# Altium PCB RV901-cnc-flipped.PcbDoc (part 2 of 4) (continued)
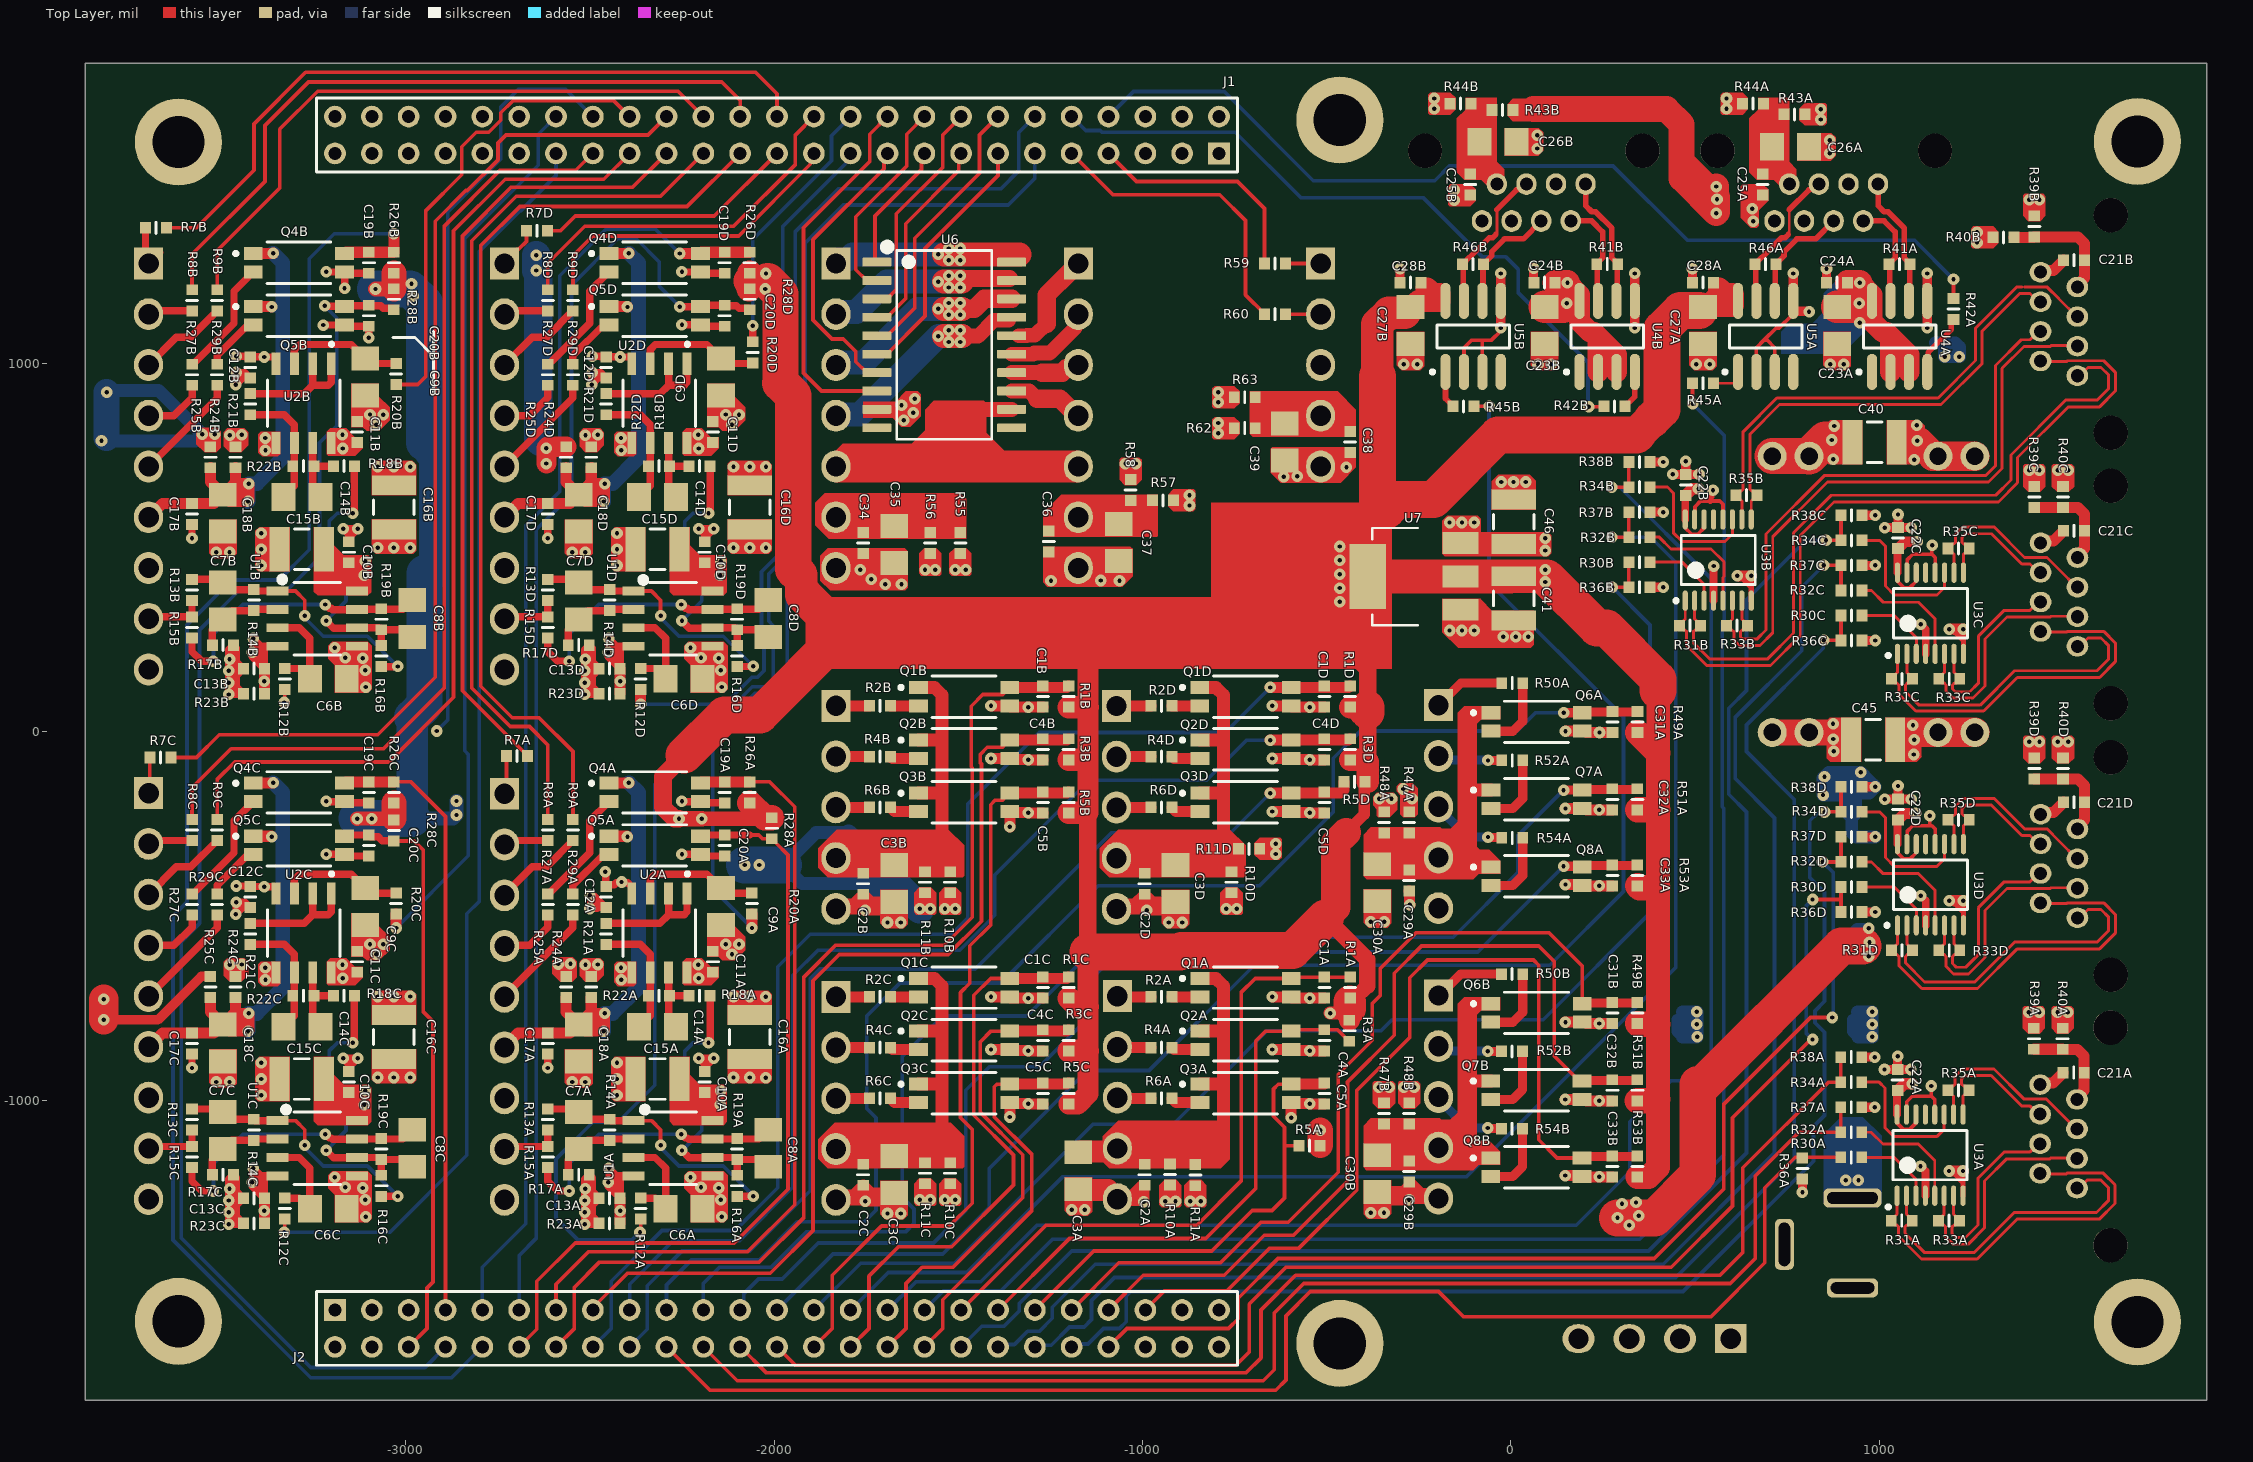
[diagram p0: Top Layer view]
## Nets (pads, with @x,y where several pads share a name; then routed paths per layer and width w, separated by ;. In a path a pad name is that pad's centre, name@x,y a point inside that pad or via, vN(x,y) a via of type N, cw(c..) or ccw(c..) an arc to the next point about the centre after c; other vN are vias at no path point) (continued)
  Bottom Layer w32.5: v1(-1604.09,-480.82) v1(-1576.09,-480.82)
  Bottom Layer w34.22: v1(-3552.06,807.18) -3551.35,807.89 v1(-3518.83,807.89)
  Bottom Layer w35.18: v1(-3826.06,790) -3825.05,788.99 -3570.96,788.99 -3552.06,807.89 -3670.96,926.79 -3807.36,926.79 v1(-3812.14,922) ; -1797.74,-274.21 -1886.28,-274.21 -1974.06,-362 -1924.05,-412.01 -1714.72,-412.01
  Bottom Layer w45.71: -1797.74,-274.21 -1714.72,-357.23 -1714.72,-412.01
  Bottom Layer w46: -2634.72,786.66 v1(-2618.06,770) v1(-2618.06,728)
  Bottom Layer w70: v1@-3812.14,797.07 v1(-3812.14,922)
  Bottom Layer w77.32: v1(-2646.06,1294) v1(-2646.06,1252) -2640.39,1246.33 -2640.39,792.33 -2634.72,786.66
  Bottom Layer w80.35: -1714.72,-412.01 -1671.68,-412.01 -1604.09,-479.6 v1(-1604.09,-480.82)
  Bottom Layer w100: v1(-2080.06,-362) v1(-2040.06,-362) -1974.06,-362
  other v1: -870.06,-1274.82 -842.06,-1274.82 -1604.09,-1270.82 -1576.09,-1270.82 -290.06,-965.18 -262.06,-965.18 1406.39,-761.5 1434.39,-761.5 -2586.09,-630.82 -2552.86,-630.11 -638.06,-332 -638.06,-304 -357.51,-181.71 -323.81,-182 1407.39,-27.5 1435.39,-27.5 -1590.06,440 -1562.06,440 93.94,492 93.94,525.6 -166.06,568 -132.46,568 -98.86,568 1407.39,709.5 1435.39,709.5 -1046.06,728 -1018.06,728 875.94,740 877.94,830 -794.06,894 -794.06,922 947.94,1110 1407.35,1444.13 1435.35,1444.13 -208.09,1691.18 585.91,1691.18 -208.09,1719.18 585.91,1719.18
+12V: C10A.1 C10B.1 C10C.1 C10D.1 C11A.1 C11B.1 C11C.1 C11D.1 C15A.1 C15B.1 C15C.1 C15D.1 C43.1 C45.1 MOD1.1 MOD1.2 P1.1 P9.2 R10A.1 R10B.1 R10C.1 R10D.1 R24A.1 R24B.1 R24C.1 R24D.1 R40A.2 R40B.2 R40C.2 R40D.2 R43A.1 R43B.1 R47A.1 R47B.1 R55.1 R57.1 R62.1 U1A.8 U1B.8 U1C.8 U1D.8 U2A.8 U2B.8 U2C.8 U2D.8 | length 22817.1
  Top Layer w70: 61.57,1690.36 422.93,1690.36 463.94,1649.36 463.94,1502 v1(557.94,1408) 559.94,1410 v1(559.94,1446) 559.94,1452.09 v1@557.94,1454.09 ; 471.9,1540.13 v1@557.94,1454.09 ; v1@557.94,1448 v1@557.94,1454.09 ; v1(557.94,1480) v1@557.94,1454.09 ; MOD1.1@709.94,-2 MOD1.2@809.94,-2 895.94,-2
  Layer 2 w40: -1054.75,-1274.46 -1054.75,-1279.66 -992.66,-1341.75 -781.88,-1341.75 -766.88,-1326.75 -724.45,-1326.75 ; -483.97,-1270.82 -461.31,-1270.82 -460.22,-1271.91
  Layer 2 w62.66: -724.45,-1326.75 -515.06,-1326.75 -471.55,-1283.24
  Layer 2 w67: 937.25,-666 941.68,-661.57 1107.71,-661.57 1115.18,-669.04 1178.64,-669.04
  Layer 2 w70: -3486.2,-18.76 -3486.2,-3.17 -3387.03,96 -3300,96 ; -3334.37,804 -3334.37,692.67 -3319.45,677.75 ; -1642.75,-984 -1627.75,-969 ; -1198,810 -1198,834.82 ; -512,440 -488.75,440 ; -483.97,-480.82 -483.97,-495.9 -422.09,-557.78 ; 213.8,805.77 264.21,856.17 447.89,856.17 486.8,817.26 486.8,805.89 ; 220,-580 446.06,-580 486.8,-620.74 486.8,-632.11 ; 937.25,-666 937.25,-963.15 971.67,-997.57 1108.33,-997.57 1124.65,-981.25 ; 1178.64,-669.04 1178.64,-618.19 1215.01,-581.83 1417.03,-581.83 1468.02,-632.82 ; 1179.77,805.77 1230.17,856.17 1413.86,856.17 1452.77,817.26 1452.77,805.89
  Layer 2 w70.03: -1064.03,-1228.49 -1064.03,-1265.18 -1054.75,-1274.46
  Layer 2 w70.87: 123.43,425.43 144,446 169.15,446
  Layer 2 w71.09: -3505.45,709.5 -3505.45,730.21 -3431.66,804 -3334.37,804 ; -3504.45,-761.5 -3504.45,-747.05 -3441.4,-684 -3352.16,-684
  Layer 2 w71.49: 1452.77,805.89 1467.31,805.89
  Layer 2 w74.36: -2994.42,1592 -2958.16,1592 -2883.24,1666.93 -2838.93,1666.93 -2834,1662 -2809.7,1662
  Layer 2 w75.97: -1723.93,-153.93 -1723.93,-135.36
  Layer 2 w78.74: -2454.88,-1637.37 -2451.59,-1640.65 -2451.59,-1648
  Layer 2 w80.12: 486.8,805.89 501.34,805.89 502.05,805.18
  Layer 2 w81.62: -3268,1338 -3248.42,1338 -2994.42,1592
  Layer 2 w82.14: 6,-468 121.62,-468 220,-566.38 220,-580
  Layer 2 w84.14: -1377.45,186 -1203,186
  Layer 2 w85.57: -2551.01,1478.99 -2550,1480
  Layer 2 w86: -28,-468 -28,-320.62
  Layer 2 w87.01: 854,-26 937.25,-109.25 937.25,-349.99
  Layer 2 w87.46: -2809.7,1662 -2777.09,1662 -2594.09,1478.99 -2551.01,1478.99
  Layer 2 w87.52: -2552,1446 -2552,1478 -2551.01,1478.99
  Layer 2 w88.47: 168,-989.01 202.2,-954.8 240.19,-954.8 280.02,-914.98 280.02,-718.02 220,-658
  Layer 2 w88.5: 1132.78,444 1167.8,444 1246,522.2 1246,611.9 1178.64,679.26 1178.64,768.96
  Layer 2 w92.5: 854,-26 854,36.3
  Layer 2 w94.14: 154.25,-1012.82 168,-999.07 168,-989.01
  Layer 2 w97.2: -1723.93,-135.36 -1723.93,-133.38 -1692,-101.45 -1692,186
  Layer 2 w99.81: 1132.78,443.67 1132.78,444
  Layer 2 w100: -3352.16,-684 -2702,-684 ; -3334.37,804 -3334.37,1271.63 -3268,1338 ; -3319.45,677.75 -3300,658.3 -3300,96 -2984,96 ; -2920,-1265.91 -2920,-1138 -2702,-920 ; -2869.39,-52.76 -2869.39,-51.64 -2866,-48.25 ; -2868,-20 -2910.06,22.06 ; -2802,-2 -2803.67,-3.67 -2851.67,-3.67 -2866,-18 ; -2702,-2 -2702,-64 ; -2552,1446 -2552,1410 -2550,1408 ; -2454.88,-1637.37 -2472.85,-1619.4 -2472.85,-1149.15 -2702,-920 ; -1627.75,-969 -1580,-921.25 -1580,-684.45 -1458,-562.45 -1458,-557.4 -1381.42,-480.82 -1247.97,-480.82 ; -1377.45,186 -1692,186 -1939.7,186 -1941.45,184.25 -2515.75,184.25 -2604,96 ; -1198,810 -1198,720 -1054,576 -1054,224 -1046,216 ; -1064.03,-1228.49 -1064.03,-960.98 -1240,-785.02 -1240,149 -1203,186 -1173,216 -1046,216 ; -512,440 -512,226 -502,216 ; -422.09,-557.78 -388.12,-591.75 -129.17,-591.75 -28,-490.58 -28,-468 ; -28,-320.62 -28,-2 ; 123.43,425.43 -47.43,254.57 -85.43,254.57 -124,216 ; 169.15,446 211.15,446 285.78,520.63 285.78,608.24 212.67,681.35 212.67,768.96 213.8,770.09 213.8,805.77 ; 220,-658 220,-580 ; 854,-26 -4,-26 -28,-2 ; 854,36.3 854,159.92 1132.78,438.7 1132.78,443.67 ; 937.25,-666 937.25,-349.99 ; 1178.64,768.96 1179.77,770.09 1179.77,805.77 ; -2984,96 -2604,96 ; -2984,96 -2910.06,22.06 ; -2910.06,22.06 -2867.17,22.06 ; -2867.17,22.06 -2677.94,22.06 -2604,96 ; -2867.17,22.06 -2866,20.89 -2866,-18 ; -2866,-48.25 -2866,-18 ; -2866,-48.25 -2813.45,-48.25 -2799.7,-62 -2704,-62 -2702,-64 ; -2702,-920 -2702,-684 ; -2702,-684 -2702,-64 ; -1046,216 -502,216 ; -502,216 -124,216 ; -124,216 -28,120 -28,-2
  other v1: -938.06,-1274.82 -910.06,-1274.82 -1536.09,-1270.82 -1508.09,-1270.82 909.94,-1218 943.94,-1218 -3112.28,-1012.82 -2146.31,-1012.82 -3110.28,-974.82 -2144.31,-974.82 -358.06,-965.18 -330.06,-965.18 1484.39,-761.5 1512.39,-761.5 -3170.7,-669.04 -2204.73,-669.04 -3478.06,-632.82 -2512.09,-632.82 -3444.83,-632.11 -3171.84,-632.23 -2478.86,-632.11 -2205.87,-632.23 -1536.09,-480.82 -1508.09,-480.82 -772.09,-480.82 -744.09,-480.82 -268.14,-182.09 -292.21,-155.59 877.33,-52.76 1485.39,-27.5 1513.39,-27.5 875.94,-20 875.11,22.06 -3112.28,425.18 -2146.31,425.18 -1508.06,440 -1480.06,440 -3110.28,463.18 -2144.31,463.18 -872.06,614 -872.06,642 1485.39,709.5 1513.39,709.5 -3170.7,768.96 -2204.73,768.96 -3478.06,805.18 -2512.09,805.18 -3444.83,805.89 -3171.84,805.77 -2478.86,805.89 -2205.87,805.77 -794.06,810 -794.06,838 1265.94,1328 1265.94,1356 841.94,1662 841.94,1690
-12V: C12A.1 C12B.1 C12C.1 C12D.1 C13A.1 C13B.1 C13C.1 C13D.1 C16A.1 C16B.1 C16C.1 C16D.1 C42.1 P9.3 R23A.1 R23B.1 R23C.1 R23D.1 U1A.4 U1B.4 U1C.4 U1D.4 U2A.4 U2B.4 U2C.4 U2D.4 | length 18719
  Top Layer w20: v1(-3460.06,-418.82) -3437.81,-418.82 -3436.35,-420.28 C12C.1@-3422.06,-420.28 -3384.61,-420.28 v1(-3384.06,-420.82) -3359.15,-420.82 -3358.61,-420.28 -3352.26,-426.62 U2C.4@-3352.26,-439.07 ; v1(-3460.06,1019.18) -3437.81,1019.18 -3436.35,1017.72 C12B.1@-3422.06,1017.72 -3384.61,1017.72 v1(-3384.06,1017.18) -3359.15,1017.18 -3358.61,1017.72 -3352.26,1011.38 U2B.4@-3352.26,998.93 ; U1C.4@-3347.78,-1205.82 -3393.28,-1205.82 ; U1B.4@-3347.78,232.18 -3393.28,232.18 ; v1(-3076.06,-718.82) -3076.06,-724.82 C16C.1@-3032.06,-768.82 ; v1(-3076.06,719.18) -3076.06,713.18 C16B.1@-3032.06,669.18 ; v1(-3032.06,-718.82) C16C.1@-3032.06,-768.82 ; v1(-3032.06,719.18) C16B.1@-3032.06,669.18 ; v1(-2988.06,-718.82) -2988.06,-724.82 C16C.1@-3032.06,-768.82 ; v1(-2988.06,719.18) -2988.06,713.18 C16B.1@-3032.06,669.18 ; v1(-2494.09,1019.18) -2471.84,1019.18 -2470.39,1017.72 C12D.1@-2456.09,1017.72 -2418.64,1017.72 v1(-2418.09,1017.18) -2393.18,1017.18 -2392.64,1017.72 -2386.29,1011.38 U2D.4@-2386.29,998.93 ; v1(-2458.06,-380) -2457.08,-380.98 -2457.08,-419.29 C12A.1@-2456.09,-420.28 -2451.33,-415.51 -2433.6,-415.51 -2428.29,-410.2 -2416.26,-410.2 v1(-2414.06,-408) -2411.86,-410.2 -2397.16,-410.2 -2386.29,-421.07 U2A.4@-2386.29,-439.07 ; U1A.4@-2381.81,-1205.82 -2427.31,-1205.82 ; U1D.4@-2381.81,232.18 -2427.31,232.18 ; v1(-2110.09,-718.82) -2110.09,-724.82 C16A.1@-2066.09,-768.82 ; v1(-2110.09,719.18) -2110.09,713.18 C16D.1@-2066.09,669.18 ; v1(-2066.09,-718.82) C16A.1@-2066.09,-768.82 ; v1(-2066.09,719.18) C16D.1@-2066.09,669.18 ; v1@-2022.13,-725.64 v1@-2022.13,-724.85 ; v1(-2022.13,-719.64) v1@-2022.13,-724.85 ; v1@-2022.09,713.18 C16D.1@-2066.09,669.18 ; -3400.01,-1250.55 -3416.28,-1234.28 v1(-3416.28,-1222.82) -3414.28,-1220.82 v1(-3414.28,-1184.82) -3399.28,-1199.82 ; -3400.01,-1250.55 -3399.28,-1249.82 -3399.28,-1199.82 ; -3400.01,-1250.55 C13C.1@-3383.74,-1266.82 -3383.74,-1215.36 -3393.28,-1205.82 ; -3400.01,187.45 -3416.28,203.72 v1(-3416.28,215.18) -3414.28,217.18 v1(-3414.28,253.18) -3399.28,238.18 ; -3400.01,187.45 -3399.28,188.18 -3399.28,238.18 ; -3400.01,187.45 C13B.1@-3383.74,171.18 -3383.74,222.64 -3393.28,232.18 ; -3399.28,-1199.82 -3393.28,-1205.82 ; -3399.28,238.18 -3393.28,232.18 ; -2434.04,-1250.55 -2433.31,-1249.82 -2433.31,-1199.82 ; -2434.04,-1250.55 -2450.31,-1234.28 v1(-2450.31,-1222.82) -2448.31,-1220.82 v1(-2448.31,-1184.82) -2433.31,-1199.82 ; -2434.04,-1250.55 C13A.1@-2417.77,-1266.82 -2417.77,-1215.36 -2427.31,-1205.82 ; -2434.04,187.45 -2450.31,203.72 v1(-2450.31,215.18) -2448.31,217.18 v1(-2448.31,253.18) -2433.31,238.18 ; -2434.04,187.45 -2433.31,188.18 -2433.31,238.18 ; -2434.04,187.45 C13D.1@-2417.77,171.18 -2417.77,222.64 -2427.31,232.18 ; -2433.31,-1199.82 -2427.31,-1205.82 ; -2433.31,238.18 -2427.31,232.18 ; C16A.1@-2066.09,-768.82 v1@-2022.13,-724.85
  Top Layer w30: R23C.1@-3383.74,-1334.82 v1(-3383.74,-1300.82) C13C.1@-3383.74,-1266.82 ; R23B.1@-3383.74,103.18 v1(-3383.74,137.18) C13B.1@-3383.74,171.18 ; R23A.1@-2417.77,-1334.82 v1(-2417.77,-1300.82) C13A.1@-2417.77,-1266.82 ; R23D.1@-2417.77,103.18 v1(-2417.77,137.18) C13D.1@-2417.77,171.18
  Top Layer w100: v1(289.94,-1320) 390.87,-1320 507.94,-1202.93 507.94,-972 ; 507.94,-958 507.94,-972 ; 955.94,-582 897.94,-582 507.94,-972
  Layer 2 w31.5: 996,-718.82 1013.18,-736 1040,-736
  Layer 2 w35.18: 456.25,253.18 578.68,375.61 793.61,375.61 837.4,419.4 ; 667.29,1064.58 812.77,1064.58
  Layer 2 w50: 402.41,-753.59 433.44,-722.56 443.04,-722.56 449.52,-716.07 585.1,-716.07 648,-653.17 648,-515.06 512.94,-380 466,-380 ; 996,719.18 996,856.78 1135.81,996.59 ; 1084,-736 1085.04,-737.04 1324,-737.04 1392.84,-737.04 1413.81,-716.07 1516.29,-716.07 ; 1387.18,1022 1389.11,1023.93 1523.55,1023.93 ; 1392,-420.82 1398.75,-414.07 1523.55,-414.07 ; 1618,592.55 1633.63,576.92 1633.63,548.39 1636.97,545.05 1636.97,484.01
  Layer 2 w56.94: 1392,-420.82 1392,-338.67 1424.22,-306.45 1424.22,-100.49
  Layer 2 w58.03: 426.03,1017.18 432.78,1023.93 481.84,1023.93 522.49,1064.58 667.29,1064.58
  Layer 2 w59.86: 425.71,-1480 425.71,-1332
  Layer 2 w60.57: 1424.22,253.18 1424.22,271.26 1636.97,484.01
  Layer 2 w60.79: 425.71,-1261.56 473.16,-1214.11 473.16,-1174.84
  Layer 2 w64.44: 372,-1166 372,-1085.99
  Layer 2 w64.63: -26,-987.87 -26,-778 31.21,-720.79
  Layer 2 w64.73: 1040,-736 1084,-736
  Layer 2 w66.46: 812.77,1064.58 925.09,1064.58 977.24,1012.43 1119.96,1012.43
  Layer 2 w68.5: 1523.55,1023.93 1618,929.48 1618,592.55
  Layer 2 w68.94: 1119.96,1012.43 1151.65,1012.43 1161.22,1022
  Layer 2 w69.76: 422,-408 450,-380 466,-380
  Layer 2 w73.28: 108.85,719.18 118.03,719.18
  Layer 2 w74.5: 1391.68,-1300.82 1399,-1308.14 1399,-1402.11
  Layer 2 w76.5: 1424.22,169.72 1424.22,215.18
  Layer 2 w77.01: 372,-1085.99 372,-784 402.41,-753.59
  Layer 2 w78.36: -1813.72,-1372 -1230.04,-1372 -1122.04,-1480 -445.82,-1480
  Layer 2 w78.74: -2313.8,-1648 -2313.8,-1561.8 -2208,-1456
  Layer 2 w80.5: 1424.22,-100.49 1424.22,169.72
  Layer 2 w80.83: 1391.68,137.18 1424.22,169.72
  Layer 2 w81.62: 425.71,137.18 441.98,153.45 441.98,198.91 458.25,215.18 458.25,251.18 456.25,253.18 ; 456.25,-1191.75 456.25,-1220.82 458.25,-1222.82 ; 1399,-1293.5 1411.61,-1280.89 1411.61,-1235.43 1424.22,-1222.82 1424.22,-1184.82 ; 1424.22,215.18 1424.22,253.18
  Layer 2 w84.77: 1040,719.18 1084,719.18
  Layer 2 w91.64: 74.03,719.18 108.85,719.18 91.44,736.59
  Layer 2 w93.88: 372,-1202 372,-1166 437.43,-1166 456.25,-1184.82
  Layer 2 w94.81: 1145.37,1006.16 1161.22,1022
  Layer 2 w95.05: 1161.22,1022 1387.18,1022 1392,1017.18
  Layer 2 w98.59: 30.03,798 30.03,892.14
  Layer 2 w99.44: 1135.81,996.59 1145.37,1006.16
  Layer 2 w100: -1813.72,-1372 -2124,-1372 -2160,-1408 ; -445.82,-1480 3.29,-1480 ; -26,-987.87 -26,-1400.69 3.29,-1429.98 3.29,-1480 ; 30.03,892.14 30.03,914.04 133.17,1017.18 426.03,1017.18 ; 31.21,-720.79 33.18,-718.82 118.03,-718.82 ; 74.03,719.18 30.03,719.18 30.03,798 91.44,736.59 ; 425.71,-1224.58 425.71,-1261.56 425.71,-1300.82 403.18,-1278.29 372,-1278.29 ; 456.25,-1191.75 441.72,-1206.28 441.72,-1208.57 372,-1278.29 ; 456.25,-1184.82 439.07,-1202 372,-1202 372,-1278.29 ; 837.4,419.4 894.8,476.8 894.8,617.98 996,719.18 1040,719.18 ; 1324,-737.04 1324,-1034 1399,-1109 ; 1399,-1402.11 1321.11,-1480 425.71,-1480 3.29,-1480 ; 1399,-1293.5 1399,-1109 ; 1424.22,-1184.82 1424.22,-1134.22 1399,-1109 ; 1516.29,-716.07 1568,-664.36 1568,-428.32 1553.75,-414.07 1523.55,-414.07 ; -2332,-1288 -2332,-1278 -2290,-1278 -2160,-1408 ; -2332,-1288 -2332,-1332 -2208,-1456 -2186,-1434 ; -2332,-1288 -2186,-1434 ; -2186,-1434 -2160,-1408
  Bottom Layer w30: v1(973.94,-572) v1@971.94,-572 ; C42.1@925.94,-567.8 925.94,-548.53 C42.1@940.46,-534 ; C42.1@925.94,-567.8 925.94,-595.47 C42.1@930.14,-599.68 ; C42.1@925.94,-567.8 C42.1@930.14,-572 ; C42.1@930.14,-599.68 940.46,-610 955.94,-610 ; C42.1@930.14,-599.68 C42.1@930.14,-572 ; C42.1@930.14,-572 C42.1@950.9,-572 ; C42.1@940.46,-534 940.46,-553.14 971.65,-553.14 ; C42.1@940.46,-534 v1(971.94,-534) ; C42.1@950.9,-572 950.9,-588.55 v1@971.94,-609.6 ; C42.1@950.9,-572 v1@971.65,-572 ; 955.94,-610 963.94,-602 964.14,-601.8 v1@971.65,-594.29 ; 955.94,-610 v1(971.94,-610) v1@971.94,-609.6 ; v1@971.65,-594.29 971.94,-594 ; v1@971.65,-594.29 v1@971.65,-572 ; v1@971.65,-572 971.65,-553.14 ; v1@971.65,-572 v1@971.94,-572 ; 971.65,-553.14 971.65,-534.29 v1(971.94,-534) ; 971.65,-553.14 971.94,-553.14 ; v1@971.94,-609.6 971.94,-594 ; 971.94,-594 v1@971.94,-572 ; v1@971.94,-572 971.94,-553.14 ; 971.94,-553.14 v1(971.94,-534)
  other v1: 321.94,-1340 347.94,-1314 301.94,-1282 339.94,-1278 -2022.09,719.18
ANALOGA: P4A.8 R13A.2 R15A.2 | length 164.8
  Top Layer w20: P4A.8@-2732.09,-1131.29 -2727.08,-1126.28 R15A.2@-2614.31,-1126.28 R13A.2@-2614.31,-1081.36
ANALOGB: P4B.8 R13B.2 R15B.2 | length 164.8
  Top Layer w20: P4B.8@-3698.06,306.71 -3693.05,311.72 R15B.2@-3580.28,311.72 R13B.2@-3580.28,356.64
ANALOGC: P4C.8 R13C.2 R15C.2 | length 164.8
  Top Layer w20: P4C.8@-3698.06,-1131.29 -3693.05,-1126.28 R15C.2@-3580.28,-1126.28 R13C.2@-3580.28,-1081.36
ANALOGD: P4D.8 R13D.2 R15D.2 | length 164.8
  Top Layer w20: P4D.8@-2732.09,306.71 -2727.08,311.72 R15D.2@-2614.31,311.72 R13D.2@-2614.31,356.64
AXIS_VCCA: C17A.1 C18A.1 P4A.6 Q4A.1 Q5A.1 R24A.2 R25A.1 | length 1565.3
  Top Layer w30: P4A.6@-2732.09,-855.7 -2694.67,-818.28 C17A.1@-2614.31,-818.28 -2553.97,-818.28 C18A.1@-2530.31,-794.62 ; R25A.1@-2564.31,-721.36 -2564.31,-760.62 C18A.1@-2530.31,-794.62 ; -2496.31,-760.62 R24A.2@-2496.31,-721.36 ; Q5A.1@-2448.11,-283.82 -2399.09,-283.82 v1(-2398.09,-284.82) ; Q4A.1@-2448.11,-139.82 -2395.09,-139.82 v1(-2394.09,-138.82) ; C18A.1@-2530.31,-794.62 C18A.1@-2516.51,-780.82 ; C18A.1@-2530.31,-794.62 -2480.29,-794.62 v1(-2462.09,-812.82) ; C18A.1@-2530.31,-794.62 -2512.12,-812.82 v1(-2462.09,-812.82) ; C18A.1@-2516.51,-780.82 -2500.51,-764.82 v1(-2460.09,-764.82) -2460.09,-780.82 ; C18A.1@-2516.51,-780.82 -2460.09,-780.82 ; v1(-2462.09,-812.82) -2460.09,-810.82 -2460.09,-780.82
  Bottom Layer w30: v1(-2398.09,-284.82) -2370.09,-284.82 -2368.09,-282.82
  Bottom Layer w40: v1(-2462.09,-812.82) -2462.09,-766.82 v1(-2460.09,-764.82) -2438.09,-764.82 -2368.09,-694.82 -2368.09,-282.82 -2368.09,-164.82 v1(-2394.09,-138.82)
AXIS_VCCB: C17B.1 C18B.1 P4B.6 Q4B.1 Q5B.1 R24B.2 R25B.1 | length 1565.3
  Top Layer w30: P4B.6@-3698.06,582.3 -3660.64,619.72 C17B.1@-3580.28,619.72 -3519.94,619.72 C18B.1@-3496.28,643.38 ; R25B.1@-3530.28,716.64 -3530.28,677.38 C18B.1@-3496.28,643.38 ; -3462.28,677.38 R24B.2@-3462.28,716.64 ; Q5B.1@-3414.08,1154.18 -3365.06,1154.18 v1(-3364.06,1153.18) ; Q4B.1@-3414.08,1298.18 -3361.06,1298.18 v1(-3360.06,1299.18) ; C18B.1@-3496.28,643.38 C18B.1@-3482.48,657.18 ; C18B.1@-3496.28,643.38 -3478.09,625.18 v1(-3428.06,625.18) ; C18B.1@-3496.28,643.38 -3446.26,643.38 v1(-3428.06,625.18) ; C18B.1@-3482.48,657.18 -3466.48,673.18 v1(-3426.06,673.18) -3426.06,657.18 ; C18B.1@-3482.48,657.18 -3426.06,657.18 ; v1(-3428.06,625.18) -3426.06,627.18 -3426.06,657.18
  Bottom Layer w30: v1(-3364.06,1153.18) -3336.06,1153.18 -3334.06,1155.18
  Bottom Layer w40: v1(-3428.06,625.18) -3428.06,671.18 v1(-3426.06,673.18) -3404.06,673.18 -3334.06,743.18 -3334.06,1155.18 -3334.06,1273.18 v1(-3360.06,1299.18)
AXIS_VCCC: C17C.1 C18C.1 P4C.6 Q4C.1 Q5C.1 R24C.2 R25C.1 | length 1565.3
  Top Layer w30: P4C.6@-3698.06,-855.7 -3660.64,-818.28 C17C.1@-3580.28,-818.28 -3519.94,-818.28 C18C.1@-3496.28,-794.62 ; R25C.1@-3530.28,-721.36 -3530.28,-760.62 C18C.1@-3496.28,-794.62 ; -3462.28,-760.62 R24C.2@-3462.28,-721.36 ; Q5C.1@-3414.08,-283.82 -3365.06,-283.82 v1(-3364.06,-284.82) ; Q4C.1@-3414.08,-139.82 -3361.06,-139.82 v1(-3360.06,-138.82) ; C18C.1@-3496.28,-794.62 -3446.26,-794.62 v1(-3428.06,-812.82) ; C18C.1@-3496.28,-794.62 -3478.09,-812.82 v1(-3428.06,-812.82) ; C18C.1@-3496.28,-794.62 C18C.1@-3482.48,-780.82 ; C18C.1@-3482.48,-780.82 -3466.48,-764.82 v1(-3426.06,-764.82) -3426.06,-780.82 ; C18C.1@-3482.48,-780.82 -3426.06,-780.82 ; v1(-3428.06,-812.82) -3426.06,-810.82 -3426.06,-780.82
  Bottom Layer w30: v1(-3364.06,-284.82) -3336.06,-284.82 -3334.06,-282.82
  Bottom Layer w40: v1(-3428.06,-812.82) -3428.06,-766.82 v1(-3426.06,-764.82) -3404.06,-764.82 -3334.06,-694.82 -3334.06,-282.82 -3334.06,-164.82 v1(-3360.06,-138.82)
AXIS_VCCD: C17D.1 C18D.1 P4D.6 Q4D.1 Q5D.1 R24D.2 R25D.1 | length 1565.3
  Top Layer w30: P4D.6@-2732.09,582.3 -2694.67,619.72 C17D.1@-2614.31,619.72 -2553.97,619.72 C18D.1@-2530.31,643.38 ; R25D.1@-2564.31,716.64 -2564.31,677.38 C18D.1@-2530.31,643.38 ; -2496.31,677.38 R24D.2@-2496.31,716.64 ; Q5D.1@-2448.11,1154.18 -2399.09,1154.18 v1(-2398.09,1153.18) ; Q4D.1@-2448.11,1298.18 -2395.09,1298.18 v1(-2394.09,1299.18) ; C18D.1@-2530.31,643.38 C18D.1@-2516.51,657.18 ; C18D.1@-2530.31,643.38 -2480.29,643.38 v1(-2462.09,625.18) ; C18D.1@-2530.31,643.38 -2512.12,625.18 v1(-2462.09,625.18) ; C18D.1@-2516.51,657.18 -2500.51,673.18 v1(-2460.09,673.18) -2460.09,657.18 ; C18D.1@-2516.51,657.18 -2460.09,657.18 ; v1(-2462.09,625.18) -2460.09,627.18 -2460.09,657.18
  Bottom Layer w30: v1(-2398.09,1153.18) -2370.09,1153.18 -2368.09,1155.18
  Bottom Layer w40: v1(-2462.09,625.18) -2462.09,671.18 v1(-2460.09,673.18) -2438.09,673.18 -2368.09,743.18 -2368.09,1155.18 -2368.09,1273.18 v1(-2394.09,1299.18)
ENC_1A_N: J3A.2 R31A.2 U3A.1 | length 1068.6
  Top Layer w8: R31A.2@1033.07,-1327.5 1033.07,-1328.49 1043.83,-1339.25 1047.93,-1339.25 1052.61,-1343.94 1052.61,-1368.96 1115.16,-1431.5 1266.39,-1431.5 1374.39,-1323.5 1597.84,-1323.5 1640.39,-1280.96 1640.39,-1230.05 1608.86,-1198.52 1510.77,-1198.52 1508.81,-1200.48 1438.75,-1200.48 J3A.2@1437.39,-1199.12 ; R31A.2@1033.07,-1325.5 1048.82,-1309.76 U3A.1@1048.82,-1259.74
ENC_1A_P: J3A.1 R31A.1 U3A.2 | length 887.2
  Top Layer w8: U3A.2@1074.41,-1259.74 1074.41,-1309.76 R31A.1@1090.16,-1325.5 ; R31A.1@1090.16,-1327.5 1090.16,-1328.49 1079.39,-1339.25 1075.3,-1339.25 1070.61,-1343.94 1070.61,-1361.5 1122.61,-1413.5 1258.93,-1413.5 1366.93,-1305.5 1590.39,-1305.5 1622.39,-1273.5 1622.39,-1237.5 1601.4,-1216.52 1565.92,-1216.52 1543.16,-1239.28 J3A.1@1537.39,-1239.28
ENC_1B_N: J3B.2 R31B.2 U3B.1 | length 2098.9
  Top Layer w8: R31B.2@458.04,288.13 458.04,287.15 468.8,276.39 472.9,276.39 477.58,271.7 477.58,234.35 531.94,180 705.39,180 785.94,260.54 785.94,532.54 877.39,624 1323.94,624 1375.94,676 1375.94,744.13 1513.94,882.13 1598.81,882.13 1641.35,924.68 1641.35,975.59 1609.83,1007.12 1511.74,1007.12 1509.78,1005.16 1439.71,1005.16 J3B.2@1438.35,1006.52 ; R31B.2@458.04,290.13 473.79,305.88 U3B.1@473.79,355.9
ENC_1B_P: J3B.1 R31B.1 U3B.2 | length 1917.5
  Top Layer w8: U3B.2@499.38,355.9 499.38,305.88 R31B.1@515.13,290.13 ; R31B.1@515.13,288.13 515.13,287.15 504.36,276.39 500.27,276.39 495.58,271.7 495.58,241.81 539.39,198 697.94,198 767.94,268 767.94,540 869.94,642 1316.48,642 1357.94,683.46 1357.94,751.59 1506.48,900.13 1591.35,900.13 1623.35,932.13 1623.35,968.13 1602.37,989.12 1566.88,989.12 1544.13,966.36 J3B.1@1538.35,966.36
ENC_1C_N: J3C.2 R31C.2 U3C.1 | length 1054.9
  Top Layer w8: R31C.2@1034.07,143.5 1034.07,142.51 1044.83,131.75 1048.93,131.75 1053.61,127.06 1053.61,102.04 1099.65,56 1283.89,56 1375.39,147.5 1598.84,147.5 1641.39,190.04 1641.39,240.95 1609.86,272.48 1511.77,272.48 1509.81,270.52 1439.75,270.52 J3C.2@1438.39,271.88 ; R31C.2@1034.07,145.5 1049.82,161.24 U3C.1@1049.82,211.26
ENC_1C_P: J3C.1 R31C.1 U3C.2 | length 875.2
  Top Layer w8: U3C.2@1075.41,211.26 1075.41,161.24 R31C.1@1091.16,145.5 ; R31C.1@1091.16,143.5 1091.16,142.51 1080.39,131.75 1076.3,131.75 1071.61,127.06 1071.61,109.5 1109.11,72 1274.43,72 1367.93,165.5 1591.39,165.5 1623.39,197.5 1623.39,233.5 1602.4,254.48 1566.92,254.48 1544.16,231.72 J3C.1@1538.39,231.72
ENC_1D_N: J3D.2 R31D.2 U3D.1 | length 1068.6
  Top Layer w8: R31D.2@1034.07,-593.5 1034.07,-594.49 1044.83,-605.25 1048.93,-605.25 1053.61,-609.94 1053.61,-634.96 1116.16,-697.5 1267.39,-697.5 1375.39,-589.5 1598.84,-589.5 1641.39,-546.96 1641.39,-496.05 1609.86,-464.52 1511.77,-464.52 1509.81,-466.48 1439.75,-466.48 J3D.2@1438.39,-465.12 ; R31D.2@1034.07,-591.5 1049.82,-575.76 U3D.1@1049.82,-525.74
ENC_1D_P: J3D.1 R31D.1 U3D.2 | length 887.2
  Top Layer w8: U3D.2@1075.41,-525.74 1075.41,-575.76 R31D.1@1091.16,-591.5 ; R31D.1@1091.16,-593.5 1091.16,-594.49 1080.39,-605.25 1076.3,-605.25 1071.61,-609.94 1071.61,-627.5 1123.61,-679.5 1259.93,-679.5 1367.93,-571.5 1591.39,-571.5 1623.39,-539.5 1623.39,-503.5 1602.4,-482.52 1566.92,-482.52 1544.16,-505.28 J3D.1@1538.39,-505.28
ENC_2A_N: J3A.4 R33A.2 U3A.7 | length 541.9
  Top Layer w8: U3A.7@1202.36,-1259.74 1202.36,-1309.76 R33A.2@1218.11,-1325.5 ; R33A.2@1218.11,-1327.5 1218.11,-1328.49 1207.35,-1339.25 1203.25,-1339.25 1198.57,-1343.94 1198.57,-1363.5 1208.57,-1373.5 1234.39,-1373.5 1268.39,-1339.5 1268.39,-1212.05 1338.87,-1141.56 1408.86,-1141.56 1431.61,-1118.8 J3A.4@1437.39,-1118.8
ENC_2A_P: J3A.3 R33A.1 U3A.6 | length 663.7
  Top Layer w8: R33A.1@1161.02,-1327.5 1161.02,-1328.49 1171.79,-1339.25 1175.88,-1339.25 1180.57,-1343.94 1180.57,-1370.96 1201.11,-1391.5 1241.84,-1391.5 1286.39,-1346.96 1286.39,-1219.5 1346.33,-1159.56 1464,-1159.56 1465.96,-1157.6 1536.03,-1157.6 J3A.3@1537.39,-1158.96 ; R33A.1@1161.02,-1325.5 1176.77,-1309.76 U3A.6@1176.77,-1259.74
ENC_2B_N: J3B.4 R33B.2 U3B.7 | length 1588.7
  Top Layer w8: U3B.7@627.33,355.9 627.33,305.88 R33B.2@643.08,290.13 ; R33B.2@643.08,288.13 643.08,287.15 632.31,276.39 628.22,276.39 623.54,271.7 623.54,256.82 628.22,252.13 669.35,252.13 693.35,276.13 693.35,536.87 852.48,696 1289.94,696 1315.94,722 1315.94,994 1386.02,1064.08 1409.82,1064.08 1432.58,1086.83 J3B.4@1438.35,1086.83
ENC_2B_P: J3B.3 R33B.1 U3B.6 | length 1710.4
  Top Layer w8: R33B.1@585.99,288.13 585.99,287.15 596.76,276.39 600.85,276.39 605.54,271.7 605.54,249.36 620.77,234.13 676.81,234.13 711.35,268.68 711.35,529.42 859.94,678 1297.39,678 1333.94,714.54 1333.94,986.54 1393.47,1046.08 1464.97,1046.08 1466.93,1048.04 1536.99,1048.04 J3B.3@1538.35,1046.68 ; R33B.1@585.99,290.13 601.74,305.88 U3B.6@601.74,355.9
ENC_2C_N: J3C.4 R33C.2 U3C.7 | length 528.4
  Top Layer w8: U3C.7@1203.36,211.26 1203.36,161.24 R33C.2@1219.11,145.5 ; R33C.2@1219.11,143.5 1219.11,142.51 1208.35,131.75 1204.25,131.75 1199.57,127.06 1199.57,116.01 1207.81,107.76 1245.65,107.76 1269.39,131.5 1269.39,258.95 1339.87,329.44 1409.86,329.44 1432.61,352.2 J3C.4@1438.39,352.2
ENC_2C_P: J3C.3 R33C.1 U3C.6 | length 647.3
  Top Layer w8: R33C.1@1162.02,143.5 1162.02,142.51 1172.79,131.75 1176.88,131.75 1181.57,127.06 1181.57,110.85 1200.8,91.61 1254.96,91.61 1287.39,124.04 1287.39,251.5 1347.33,311.44 1465,311.44 1466.96,313.4 1537.03,313.4 J3C.3@1538.39,312.04 ; R33C.1@1162.02,145.5 1177.77,161.24 U3C.6@1177.77,211.26
ENC_2D_N: J3D.4 R33D.2 U3D.7 | length 541.9
  Top Layer w8: U3D.7@1203.36,-525.74 1203.36,-575.76 R33D.2@1219.11,-591.5 ; R33D.2@1219.11,-593.5 1219.11,-594.49 1208.35,-605.25 1204.25,-605.25 1199.57,-609.94 1199.57,-629.5 1209.57,-639.5 1235.39,-639.5 1269.39,-605.5 1269.39,-478.05 1339.87,-407.56 1409.86,-407.56 1432.61,-384.8 J3D.4@1438.39,-384.8
ENC_2D_P: J3D.3 R33D.1 U3D.6 | length 663.7
  Top Layer w8: R33D.1@1162.02,-593.5 1162.02,-594.49 1172.79,-605.25 1176.88,-605.25 1181.57,-609.94 1181.57,-636.96 1202.11,-657.5 1242.84,-657.5 1287.39,-612.96 1287.39,-485.5 1347.33,-425.56 1465,-425.56 1466.96,-423.6 1537.03,-423.6 J3D.3@1538.39,-424.96 ; R33D.1@1162.02,-591.5 1177.77,-575.76 U3D.6@1177.77,-525.74
ENC_3A_N: J3A.6 R35A.2 U3A.9 | length 373.8
  Top Layer w8: U3A.9@1227.95,-1039.27 1227.95,-989.25 R35A.2@1243.7,-973.5 1243.7,-972.52 1232.94,-961.76 1228.84,-961.76 1224.16,-957.07 1224.16,-943.19 1233.84,-933.5 1304.39,-933.5 1386.61,-1015.73 1408.86,-1015.73 1431.61,-1038.49 J3A.6@1437.39,-1038.49
ENC_3A_P: J3A.5 R35A.1 U3A.10 | length 527.8
  Top Layer w8: U3A.10@1202.36,-1039.27 1202.36,-989.25 R35A.1@1186.61,-973.5 1186.61,-972.52 1197.38,-961.76 1201.47,-961.76 1206.16,-957.07 1206.16,-935.73 1226.39,-915.5 1311.84,-915.5 1394.07,-997.73 1454.54,-997.73 1487.29,-1030.47 ; 1487.29,-1030.51 1535.42,-1078.65 J3A.5@1537.39,-1078.65
ENC_3B_N: J3B.6 R35B.2 U3B.9 | length 1256.6
  Top Layer w8: U3B.9@652.92,576.37 652.92,626.39 R35B.2@668.67,642.13 668.67,643.12 657.91,653.88 653.81,653.88 649.13,658.57 649.13,807.19 729.94,888 1167.94,888 1279.94,1000 1279.94,1088 1381.84,1189.91 1409.82,1189.91 1432.58,1167.15 J3B.6@1438.35,1167.15
ENC_3B_P: J3B.5 R35B.1 U3B.10 | length 1403
  Top Layer w8: U3B.10@627.33,576.37 627.33,626.39 R35B.1@611.58,642.13 611.58,643.12 622.35,653.88 626.44,653.88 631.13,658.57 631.13,814.64 722.48,906 1160.48,906 1261.94,1007.46 1261.94,1095.46 1374.39,1207.91 1387.58,1207.91 ; 1395.04,1207.91 1455.51,1207.91 1488.25,1175.16 ; 1488.25,1175.12 1536.39,1126.99 J3B.5@1538.35,1126.99